# Altium PCB top_INA2180.PcbDoc (part 5 of 5)
Units mil, origin at the board's own origin, x right, y up, seen from the top; angles counter-clockwise.
Board outline 10480 x 5830 mil, 2 copper layers (Top Layer, Bottom Layer); 635 components, 633 nets, 1722 pads, 292 vias.
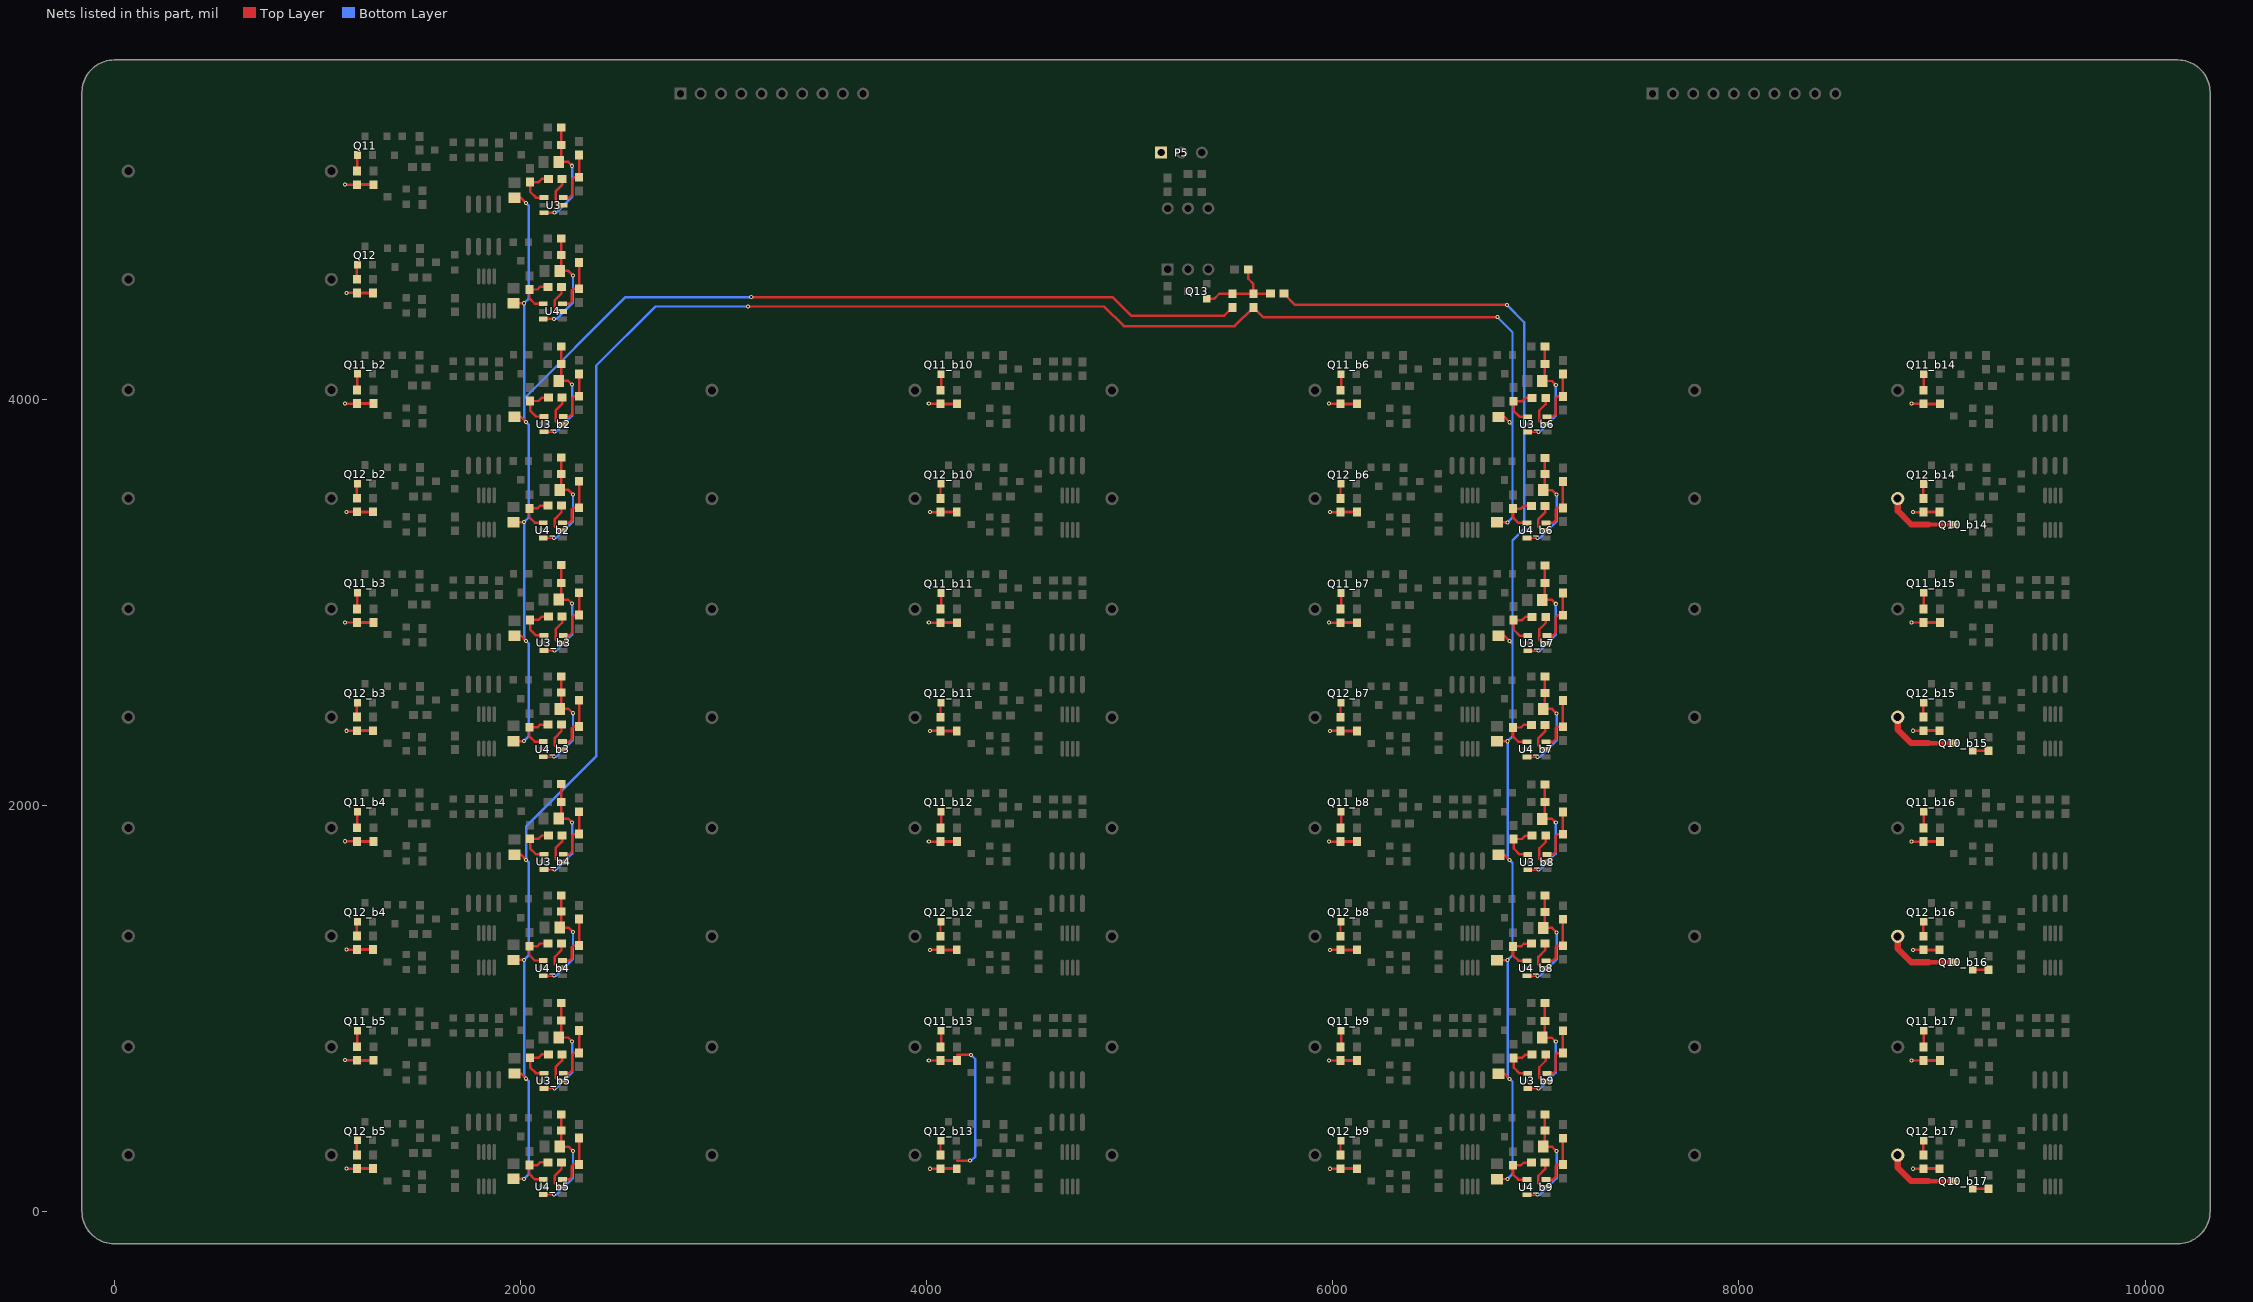
[diagram p5: the nets of this part, all layers, seen from the top]

## Via types
v1: diameter 20, hole 10, Top Layer to Bottom Layer, 235 vias
v2: diameter 40, hole 20, Top Layer to Bottom Layer, 53 vias
v3: diameter 125.98, hole 125.98, Top Layer to Bottom Layer, 4 vias

## Nets (pads, with @x,y where several pads share a name; then routed paths per layer and width w, separated by ;. In a path a pad name is that pad's centre, name@x,y a point inside that pad or via, vN(x,y) a via of type N, cw(c..) or ccw(c..) an arc to the next point about the centre after c; other vN are vias at no path point) (continued)
NetQ10_b14_3: Q10_b14.3 R14_b14.1 | length 365.2
  Top Layer w22: 8933.86,3382.35 Q10_b14.3@9058.6,3382.35
  Top Layer w30: R14_b14.1@8781.99,3510.07 8781.99,3449.07 8848.72,3382.35 8933.86,3382.35
NetQ10_b15_1: Q10_b15.1 R23_b15.1 | length 78.1
  Top Layer w12: Q10_b15.1@9151.12,2268.21 R23_b15.1@9229.18,2268.21
NetQ10_b15_3: Q10_b15.3 R14_b15.1 | length 365.2
  Top Layer w22: 8933.86,2305.61 Q10_b15.3@9058.6,2305.61
  Top Layer w30: R14_b15.1@8781.99,2433.33 8781.99,2372.33 8848.72,2305.61 8933.86,2305.61
NetQ10_b16_1: Q10_b16.1 R23_b16.1 | length 78.1
  Top Layer w12: Q10_b16.1@9151.12,1189.21 R23_b16.1@9229.18,1189.21
NetQ10_b16_3: Q10_b16.3 R14_b16.1 | length 365.2
  Top Layer w22: 8933.86,1226.61 Q10_b16.3@9058.6,1226.61
  Top Layer w30: R14_b16.1@8781.99,1354.33 8781.99,1293.33 8848.72,1226.61 8933.86,1226.61
NetQ10_b17_1: Q10_b17.1 R23_b17.1 | length 78.1
  Top Layer w12: Q10_b17.1@9151.12,111.21 R23_b17.1@9229.18,111.21
NetQ10_b17_3: Q10_b17.3 R14_b17.1 | length 365.2
  Top Layer w22: 8933.86,148.61 Q10_b17.3@9058.6,148.61
  Top Layer w30: R14_b17.1@8781.99,276.33 8781.99,215.33 8848.72,148.61 8933.86,148.61
NetQ11_1: Q11.1 R39.2 | length 79.9
  Top Layer w12: R39.2@1194.99,5122.8 1196.59,5124.4 Q11.1@1196.59,5202.07
NetQ11_b2_1: Q11_b2.1 R39_b2.2 | length 79.9
  Top Layer w12: R39_b2.2@1195,4044.72 1196.6,4046.32 Q11_b2.1@1196.6,4124
NetQ11_b3_1: Q11_b3.1 R39_b3.2 | length 79.9
  Top Layer w12: R39_b3.2@1195,2966.72 1196.6,2968.32 Q11_b3.1@1196.6,3046
NetQ11_b4_1: Q11_b4.1 R39_b4.2 | length 79.9
  Top Layer w12: R39_b4.2@1195,1888.72 1196.6,1890.32 Q11_b4.1@1196.6,1968
NetQ11_b5_1: Q11_b5.1 R39_b5.2 | length 79.9
  Top Layer w12: R39_b5.2@1195,810.72 1196.6,812.32 Q11_b5.1@1196.6,890
NetQ11_b6_1: Q11_b6.1 R39_b6.2 | length 79.9
  Top Layer w12: R39_b6.2@6038.99,4043.8 6040.59,4045.4 Q11_b6.1@6040.59,4123.07
NetQ11_b7_1: Q11_b7.1 R39_b7.2 | length 79.9
  Top Layer w12: R39_b7.2@6038.99,2965.8 6040.59,2967.4 Q11_b7.1@6040.59,3045.07
NetQ11_b8_1: Q11_b8.1 R39_b8.2 | length 79.9
  Top Layer w12: R39_b8.2@6038.99,1887.8 6040.59,1889.4 Q11_b8.1@6040.59,1967.07
NetQ11_b9_1: Q11_b9.1 R39_b9.2 | length 79.9
  Top Layer w12: R39_b9.2@6038.99,809.8 6040.59,811.4 Q11_b9.1@6040.59,889.07
NetQ11_b10_1: Q11_b10.1 R39_b10.2 | length 79.9
  Top Layer w12: R39_b10.2@4068.99,4043.8 4070.59,4045.4 Q11_b10.1@4070.59,4123.07
NetQ11_b11_1: Q11_b11.1 R39_b11.2 | length 79.9
  Top Layer w12: R39_b11.2@4068.99,2965.8 4070.59,2967.4 Q11_b11.1@4070.59,3045.07
NetQ11_b12_1: Q11_b12.1 R39_b12.2 | length 79.9
  Top Layer w12: R39_b12.2@4068.99,1887.8 4070.59,1889.4 Q11_b12.1@4070.59,1967.07
NetQ11_b13_1: Q11_b13.1 R39_b13.2 | length 79.9
  Top Layer w12: R39_b13.2@4068.99,809.8 4070.59,811.4 Q11_b13.1@4070.59,889.07
NetQ11_b14_1: Q11_b14.1 R39_b14.2 | length 79.9
  Top Layer w12: R39_b14.2@8908.99,4043.54 8910.59,4045.14 Q11_b14.1@8910.59,4122.81
NetQ11_b15_1: Q11_b15.1 R39_b15.2 | length 79.9
  Top Layer w12: R39_b15.2@8908.99,2966.8 8910.59,2968.4 Q11_b15.1@8910.59,3046.07
NetQ11_b16_1: Q11_b16.1 R39_b16.2 | length 79.9
  Top Layer w12: R39_b16.2@8908.99,1887.8 8910.59,1889.4 Q11_b16.1@8910.59,1967.07
NetQ11_b17_1: Q11_b17.1 R39_b17.2 | length 79.9
  Top Layer w12: R39_b17.2@8908.99,809.8 8910.59,811.4 Q11_b17.1@8910.59,889.07
NetQ12_1: Q12.1 R41.1 | length 72.4
  Top Layer w12: R41.1@1193.99,4589.8 1193.99,4658.48 Q12.1@1196.59,4661.07
NetQ12_b2_1: Q12_b2.1 R41_b2.1 | length 72.4
  Top Layer w12: R41_b2.1@1194,3511.72 1194,3580.4 Q12_b2.1@1196.6,3583
NetQ12_b3_1: Q12_b3.1 R41_b3.1 | length 72.4
  Top Layer w12: R41_b3.1@1194,2433.72 1194,2502.4 Q12_b3.1@1196.6,2505
NetQ12_b4_1: Q12_b4.1 R41_b4.1 | length 72.4
  Top Layer w12: R41_b4.1@1194,1355.72 1194,1424.4 Q12_b4.1@1196.6,1427
NetQ12_b5_1: Q12_b5.1 R41_b5.1 | length 72.4
  Top Layer w12: R41_b5.1@1194,277.72 1194,346.4 Q12_b5.1@1196.6,349
NetQ12_b6_1: Q12_b6.1 R41_b6.1 | length 72.4
  Top Layer w12: R41_b6.1@6037.99,3510.8 6037.99,3579.48 Q12_b6.1@6040.59,3582.07
NetQ12_b7_1: Q12_b7.1 R41_b7.1 | length 72.4
  Top Layer w12: R41_b7.1@6037.99,2432.8 6037.99,2501.48 Q12_b7.1@6040.59,2504.07
NetQ12_b8_1: Q12_b8.1 R41_b8.1 | length 72.4
  Top Layer w12: R41_b8.1@6037.99,1354.8 6037.99,1423.48 Q12_b8.1@6040.59,1426.07
NetQ12_b9_1: Q12_b9.1 R41_b9.1 | length 72.4
  Top Layer w12: R41_b9.1@6037.99,276.8 6037.99,345.48 Q12_b9.1@6040.59,348.07
NetQ12_b10_1: Q12_b10.1 R41_b10.1 | length 72.4
  Top Layer w12: R41_b10.1@4067.99,3510.8 4067.99,3579.48 Q12_b10.1@4070.59,3582.07
NetQ12_b11_1: Q12_b11.1 R41_b11.1 | length 72.4
  Top Layer w12: R41_b11.1@4067.99,2432.8 4067.99,2501.48 Q12_b11.1@4070.59,2504.07
NetQ12_b12_1: Q12_b12.1 R41_b12.1 | length 72.4
  Top Layer w12: R41_b12.1@4067.99,1354.8 4067.99,1423.48 Q12_b12.1@4070.59,1426.07
NetQ12_b13_1: Q12_b13.1 R41_b13.1 | length 72.4
  Top Layer w12: R41_b13.1@4067.99,276.8 4067.99,345.48 Q12_b13.1@4070.59,348.07
NetQ12_b14_1: Q12_b14.1 R41_b14.1 | length 72.4
  Top Layer w12: R41_b14.1@8907.99,3510.54 8907.99,3579.22 Q12_b14.1@8910.59,3581.81
NetQ12_b15_1: Q12_b15.1 R41_b15.1 | length 72.4
  Top Layer w12: R41_b15.1@8907.99,2433.8 8907.99,2502.48 Q12_b15.1@8910.59,2505.07
NetQ12_b16_1: Q12_b16.1 R41_b16.1 | length 72.4
  Top Layer w12: R41_b16.1@8907.99,1354.8 8907.99,1423.48 Q12_b16.1@8910.59,1426.07
NetQ12_b17_1: Q12_b17.1 R41_b17.1 | length 72.4
  Top Layer w12: R41_b17.1@8907.99,276.8 8907.99,345.48 Q12_b17.1@8910.59,348.07
NetQ13_1: Q13.1 R28.2 R29.2 R30.2 R31.2 | length 453.2
  Top Layer w12: Q13.1@5378.25,4493.67 5415.59,4493.67 5440.46,4518.54 R29.2@5505.99,4518.54 R30.2@5608.99,4518.54 ; R28.2@5583.46,4637.07 5583.46,4592.61 5608.99,4567.07 R30.2@5608.99,4518.54 ; R31.2@5692.07,4518.54 R30.2@5608.99,4518.54
NetR51_2: R51.2 R52.1 U3.1 | length 225.5
  Top Layer w12: U3.1@2115.76,4992.4 2075.6,4992.4 2047,5021 R52.1@2047,5068.54 2088.54,5068.54 2105,5085 R51.2@2137.54,5085
NetR51_b2_2: R51_b2.2 R52_b2.1 U3_b2.1 | length 225.5
  Top Layer w12: U3_b2.1@2115.76,3914.33 2075.61,3914.33 2047.01,3942.93 R52_b2.1@2047.01,3990.46 2088.54,3990.46 2105.01,4006.93 R51_b2.2@2137.54,4006.93
NetR51_b3_2: R51_b3.2 R52_b3.1 U3_b3.1 | length 225.5
  Top Layer w12: U3_b3.1@2115.76,2836.33 2075.61,2836.33 2047.01,2864.93 R52_b3.1@2047.01,2912.46 2088.54,2912.46 2105.01,2928.93 R51_b3.2@2137.54,2928.93
NetR51_b4_2: R51_b4.2 R52_b4.1 U3_b4.1 | length 225.5
  Top Layer w12: U3_b4.1@2115.76,1758.33 2075.61,1758.33 2047.01,1786.93 R52_b4.1@2047.01,1834.46 2088.54,1834.46 2105.01,1850.93 R51_b4.2@2137.54,1850.93
NetR51_b5_2: R51_b5.2 R52_b5.1 U3_b5.1 | length 225.5
  Top Layer w12: U3_b5.1@2115.76,680.33 2075.61,680.33 2047.01,708.93 R52_b5.1@2047.01,756.46 2088.54,756.46 2105.01,772.93 R51_b5.2@2137.54,772.93
NetR51_b6_2: R51_b6.2 R52_b6.1 U3_b6.1 | length 225.5
  Top Layer w12: U3_b6.1@6959.76,3913.4 6919.6,3913.4 6891,3942 R52_b6.1@6891,3989.54 6932.54,3989.54 6949,4006 R51_b6.2@6981.54,4006
NetR51_b7_2: R51_b7.2 R52_b7.1 U3_b7.1 | length 225.5
  Top Layer w12: U3_b7.1@6959.76,2835.4 6919.6,2835.4 6891,2864 R52_b7.1@6891,2911.54 6932.54,2911.54 6949,2928 R51_b7.2@6981.54,2928
NetR51_b8_2: R51_b8.2 R52_b8.1 U3_b8.1 | length 225.5
  Top Layer w12: U3_b8.1@6959.76,1757.4 6919.6,1757.4 6891,1786 R52_b8.1@6891,1833.54 6932.54,1833.54 6949,1850 R51_b8.2@6981.54,1850
NetR51_b9_2: R51_b9.2 R52_b9.1 U3_b9.1 | length 225.5
  Top Layer w12: U3_b9.1@6959.76,679.4 6919.6,679.4 6891,708 R52_b9.1@6891,755.54 6932.54,755.54 6949,772 R51_b9.2@6981.54,772
NetR51_b10_2: 
NetR51_b11_2: 
NetR51_b12_2: 
NetR51_b13_2: 
NetR51_b14_2: 
NetR51_b15_2: 
NetR51_b16_2: 
NetR51_b17_2: 
NetR53_1: R53.1 R54.1 U4.1 | length 219
  Top Layer w12: U4.1@2111.76,4469.4 2069.6,4469.4 2044,4495 R54.1@2044,4539.54 2082.54,4539.54 2096,4553 R53.1@2134.54,4553
NetR53_b2_1: R53_b2.1 R54_b2.1 U4_b2.1 | length 219
  Top Layer w12: U4_b2.1@2111.76,3391.33 2069.61,3391.33 2044.01,3416.93 R54_b2.1@2044.01,3461.46 2082.54,3461.46 2096.01,3474.93 R53_b2.1@2134.54,3474.93
NetR53_b3_1: R53_b3.1 R54_b3.1 U4_b3.1 | length 219
  Top Layer w12: U4_b3.1@2111.76,2313.33 2069.61,2313.33 2044.01,2338.93 R54_b3.1@2044.01,2383.46 2082.54,2383.46 2096.01,2396.93 R53_b3.1@2134.54,2396.93
NetR53_b4_1: R53_b4.1 R54_b4.1 U4_b4.1 | length 219
  Top Layer w12: U4_b4.1@2111.76,1235.33 2069.61,1235.33 2044.01,1260.93 R54_b4.1@2044.01,1305.46 2082.54,1305.46 2096.01,1318.93 R53_b4.1@2134.54,1318.93
NetR53_b5_1: R53_b5.1 R54_b5.1 U4_b5.1 | length 219
  Top Layer w12: U4_b5.1@2111.76,157.33 2069.61,157.33 2044.01,182.93 R54_b5.1@2044.01,227.46 2082.54,227.46 2096.01,240.93 R53_b5.1@2134.54,240.93
NetR53_b6_1: R53_b6.1 R54_b6.1 U4_b6.1 | length 219
  Top Layer w12: U4_b6.1@6955.76,3390.4 6913.6,3390.4 6888,3416 R54_b6.1@6888,3460.54 6926.54,3460.54 6940,3474 R53_b6.1@6978.54,3474
NetR53_b7_1: R53_b7.1 R54_b7.1 U4_b7.1 | length 219
  Top Layer w12: U4_b7.1@6955.76,2312.4 6913.6,2312.4 6888,2338 R54_b7.1@6888,2382.54 6926.54,2382.54 6940,2396 R53_b7.1@6978.54,2396
NetR53_b8_1: R53_b8.1 R54_b8.1 U4_b8.1 | length 219
  Top Layer w12: U4_b8.1@6955.76,1234.4 6913.6,1234.4 6888,1260 R54_b8.1@6888,1304.54 6926.54,1304.54 6940,1318 R53_b8.1@6978.54,1318
NetR53_b9_1: R53_b9.1 R54_b9.1 U4_b9.1 | length 219
  Top Layer w12: U4_b9.1@6955.76,156.4 6913.6,156.4 6888,182 R54_b9.1@6888,226.54 6926.54,226.54 6940,240 R53_b9.1@6978.54,240
NetR53_b10_1: 
NetR53_b11_1: 
NetR53_b12_1: 
NetR53_b13_1: 
NetR53_b14_1: 
NetR53_b15_1: 
NetR53_b16_1: 
NetR53_b17_1: 
OUT2: D1.2 D1_b2.2 D1_b3.2 D2.2 D2_b2.2 D2_b3.2 R29.1 | length 6814.5
  Top Layer w12: D2_b3.2@1964.41,2315.93 v1(2017.01,2315.93) ; D2_b2.2@1964.41,3393.93 v1(2017.01,3393.93) ; D2.2@1964.4,4472 v1(2017,4472) ; D1_b3.2@1971.01,2834.52 2001.41,2834.52 v1(2027.01,2808.93) ; D1_b2.2@1971.01,3912.52 2001.41,3912.52 v1(2027.01,3886.93) ; D1.2@1971,4990.6 2001.4,4990.6 v1(2027,4965) ; v1(3135.99,4502.07) 4914.99,4502.07 5005.99,4411.07 5465.46,4411.07 R29.1@5505.99,4451.61
  Bottom Layer w12: v1(2017.01,2315.93) 2041.01,2339.93 2041.01,2794.93 v1(2027.01,2808.93) 2017.01,2818.93 v1(2017.01,3393.93) 2041.01,3417.93 2041.01,3872.93 v1(2027.01,3886.93) 2017,3896.93 2017,4004 ; v1(2027,4965) 2041,4951 2041,4496 v1(2017,4472) 2017,4004 ; v1@3134.18,4500.27 v1(3135.99,4502.07) 2517.07,4502.07 2019,4004 2017,4004
OUT5: D1_b4.2 D1_b5.2 D1_b6.2 D2_b4.2 D2_b5.2 D2_b6.2 R30.1 | length 10269.3
  Top Layer w12: D2_b5.2@1964.41,159.93 v1(2017.01,159.93) ; D2_b4.2@1964.41,1237.93 v1(2017.01,1237.93) ; D1_b5.2@1971.01,678.52 2001.41,678.52 v1(2027.01,652.93) ; D1_b4.2@1971.01,1756.52 2001.41,1756.52 v1(2027.01,1730.93) ; v1(3120.99,4456.07) 4873.99,4456.07 4970.99,4359.07 5516.46,4359.07 R30.1@5608.99,4451.61 5656.6,4404 v1(6810,4404) ; D2_b6.2@6808.4,3393 v1(6861,3393) ; D1_b6.2@6815,3911.6 6845.4,3911.6 v1(6871,3886)
  Bottom Layer w12: v1(2017.01,159.93) 2041.01,183.93 2041.01,638.93 v1(2027.01,652.93) 2017.01,662.93 v1(2017.01,1237.93) 2041.01,1261.93 2041.01,1716.93 v1(2027.01,1730.93) 2027.01,1895.01 2372,2240 2372,4164.07 2664,4456.07 v1(3120.99,4456.07) ; v1(6810,4404) 6885,4329 6885,3872 ; v1(6861,3393) 6885,3417 6885,3872 ; v1(6871,3886) 6885,3872
OUT8: D1_b7.2 D1_b8.2 D1_b9.2 D2_b7.2 D2_b8.2 D2_b9.2 R31.1 | length 5912.1
  Top Layer w12: R31.1@5759.46,4519 5814.46,4464 v1(6857,4464) ; D2_b9.2@6808.4,159 v1(6861,159) ; D2_b8.2@6808.4,1237 v1(6861,1237) ; D2_b7.2@6808.4,2315 v1(6861,2315) ; D1_b9.2@6815,677.6 6845.4,677.6 v1(6871,652) ; D1_b8.2@6815,1755.6 6845.4,1755.6 v1(6871,1730) ; D1_b7.2@6815,2833.6 6845.4,2833.6 v1(6871,2808)
  Bottom Layer w12: v1(6857,4464) 6943,4378 6943,3362 6885,3304 6885,2794 ; v1(6861,159) 6885,183 6885,638 v1(6871,652) 6861,662 v1(6861,1237) 6885,1261 6885,1716 v1(6871,1730) 6861,1740 v1(6861,2315) 6885,2339 6885,2794 ; v1(6871,2808) 6885,2794
OUT9: 
OUT10: 
OUT11: 
OUT12: 
OUT13: 
OUT14:  | length 675.9
  Top Layer w12: 4149.86,249.21 v1(4213.46,249.21) ; 4149.86,770.21 v1(4218.46,770.21)
  Bottom Layer w12: v1(4213.46,249.21) 4218.74,249.21 4239.61,270.07 4239.61,749.06 v1(4218.46,770.21)
OUT15: 
OUT16: 
OUT_G16: P5.1 R39.1 R39_b2.1 R39_b3.1 R39_b4.1 R39_b5.1 R39_b6.1 R39_b7.1 R39_b8.1 R39_b9.1 R39_b10.1 R39_b11.1 R39_b12.1 R39_b13.1 R39_b14.1 R39_b15.1 R39_b16.1 R39_b17.1 R40.2 R40_b2.2 R40_b3.2 R40_b4.2 R40_b5.2 R40_b6.2 R40_b7.2 R40_b8.2 R40_b9.2 R40_b10.2 R40_b11.2 R40_b12.2 R40_b13.2 R40_b14.2 R40_b15.2 R40_b16.2 R40_b17.2 R41.2 R41_b2.2 R41_b3.2 R41_b4.2 R41_b5.2 R41_b6.2 R41_b7.2 R41_b8.2 R41_b9.2 R41_b10.2 R41_b11.2 R41_b12.2 R41_b13.2 R41_b14.2 R41_b15.2 R41_b16.2 R41_b17.2 R42.2 R42_b2.2 R42_b3.2 R42_b4.2 R42_b5.2 R42_b6.2 R42_b7.2 R42_b8.2 R42_b9.2 R42_b10.2 R42_b11.2 R42_b12.2 R42_b13.2 R42_b14.2 R42_b15.2 R42_b16.2 R42_b17.2 | length 4622.5
  Top Layer w12: v1@1136.99,743.8 R39_b5.1@1195,743.8 ; v1@1136.99,1821.8 R39_b4.1@1195,1821.8 ; v1@1136.99,2899.8 R39_b3.1@1195,2899.8 ; v1@1136.99,3977.8 R39_b2.1@1195,3977.8 ; v1@1136.98,5055.87 R39.1@1194.99,5055.87 ; v1(1142.25,210.54) R41_b5.2@1193.74,210.54 ; v1(1142.25,1288.54) R41_b4.2@1193.74,1288.54 ; v1(1142.25,2366.54) R41_b3.2@1193.74,2366.54 ; v1(1142.25,3444.54) R41_b2.2@1193.74,3444.54 ; v1(1142.24,4522.61) R41.2@1193.73,4522.61 ; v1@4010.98,742.87 R39_b13.1@4068.99,742.87 ; v1@4010.98,1820.87 R39_b12.1@4068.99,1820.87 ; v1@4010.98,2898.87 R39_b11.1@4068.99,2898.87 ; v1@4010.98,3976.87 R39_b10.1@4068.99,3976.87 ; v1(4016.24,209.61) R41_b13.2@4067.73,209.61 ; v1(4016.24,1287.61) R41_b12.2@4067.73,1287.61 ; v1(4016.24,2365.61) R41_b11.2@4067.73,2365.61 ; v1(4016.24,3443.61) R41_b10.2@4067.73,3443.61 ; v1@5980.98,742.87 R39_b9.1@6038.99,742.87 ; v1@5980.98,1820.87 R39_b8.1@6038.99,1820.87 ; v1@5980.98,2898.87 R39_b7.1@6038.99,2898.87 ; v1@5980.98,3976.87 R39_b6.1@6038.99,3976.87 ; v1(5986.24,209.61) R41_b9.2@6037.73,209.61 ; v1(5986.24,1287.61) R41_b8.2@6037.73,1287.61 ; v1(5986.24,2365.61) R41_b7.2@6037.73,2365.61 ; v1(5986.24,3443.61) R41_b6.2@6037.73,3443.61 ; v1@8850.98,742.87 R39_b17.1@8908.99,742.87 ; v1@8850.98,1820.87 R39_b16.1@8908.99,1820.87 ; v1@8850.98,2899.87 R39_b15.1@8908.99,2899.87 ; v1@8850.98,3976.61 R39_b14.1@8908.99,3976.61 ; v1(8856.24,209.61) R41_b17.2@8907.73,209.61 ; v1(8856.24,1287.61) R41_b16.2@8907.73,1287.61 ; v1(8856.24,2366.61) R41_b15.2@8907.73,2366.61 ; v1(8856.24,3443.35) R41_b14.2@8907.73,3443.35
  Top Layer w15: v1(1136.25,744.54) v1@1136.99,743.8 ; v1(1136.25,1822.54) v1@1136.99,1821.8 ; v1(1136.25,2900.54) v1@1136.99,2899.8 ; v1(1136.25,3978.54) v1@1136.99,3977.8 ; v1(1136.24,5056.61) v1@1136.98,5055.87 ; R41_b5.2@1193.74,210.54 R41_b5.2@1194,210.8 R42_b5.2@1274,210.8 ; R41_b4.2@1193.74,1288.54 R41_b4.2@1194,1288.8 R42_b4.2@1274,1288.8 ; R41_b3.2@1193.74,2366.54 R41_b3.2@1194,2366.8 R42_b3.2@1274,2366.8 ; R41_b2.2@1193.74,3444.54 R41_b2.2@1194,3444.8 R42_b2.2@1274,3444.8 ; R41.2@1193.73,4522.61 R41.2@1193.99,4522.87 R42.2@1273.99,4522.87 ; R39_b5.1@1195,743.8 R40_b5.2@1276,743.8 ; R39_b4.1@1195,1821.8 R40_b4.2@1276,1821.8 ; R39_b3.1@1195,2899.8 R40_b3.2@1276,2899.8 ; R39_b2.1@1195,3977.8 R40_b2.2@1276,3977.8 ; R39.1@1194.99,5055.87 R40.2@1275.99,5055.87 ; v1(4010.24,743.61) v1@4010.98,742.87 ; v1(4010.24,1821.61) v1@4010.98,1820.87 ; v1(4010.24,2899.61) v1@4010.98,2898.87 ; v1(4010.24,3977.61) v1@4010.98,3976.87 ; R41_b13.2@4067.73,209.61 R41_b13.2@4067.99,209.87 R42_b13.2@4147.99,209.87 ; R41_b12.2@4067.73,1287.61 R41_b12.2@4067.99,1287.87 R42_b12.2@4147.99,1287.87 ; R41_b11.2@4067.73,2365.61 R41_b11.2@4067.99,2365.87 R42_b11.2@4147.99,2365.87 ; R41_b10.2@4067.73,3443.61 R41_b10.2@4067.99,3443.87 R42_b10.2@4147.99,3443.87 ; R39_b13.1@4068.99,742.87 R40_b13.2@4149.99,742.87 ; R39_b12.1@4068.99,1820.87 R40_b12.2@4149.99,1820.87 ; R39_b11.1@4068.99,2898.87 R40_b11.2@4149.99,2898.87 ; R39_b10.1@4068.99,3976.87 R40_b10.2@4149.99,3976.87 ; v1(5980.24,743.61) v1@5980.98,742.87 ; v1(5980.24,1821.61) v1@5980.98,1820.87 ; v1(5980.24,2899.61) v1@5980.98,2898.87 ; v1(5980.24,3977.61) v1@5980.98,3976.87 ; R41_b9.2@6037.73,209.61 R41_b9.2@6037.99,209.87 R42_b9.2@6117.99,209.87 ; R41_b8.2@6037.73,1287.61 R41_b8.2@6037.99,1287.87 R42_b8.2@6117.99,1287.87 ; R41_b7.2@6037.73,2365.61 R41_b7.2@6037.99,2365.87 R42_b7.2@6117.99,2365.87 ; R41_b6.2@6037.73,3443.61 R41_b6.2@6037.99,3443.87 R42_b6.2@6117.99,3443.87 ; R39_b9.1@6038.99,742.87 R40_b9.2@6119.99,742.87 ; R39_b8.1@6038.99,1820.87 R40_b8.2@6119.99,1820.87 ; R39_b7.1@6038.99,2898.87 R40_b7.2@6119.99,2898.87 ; R39_b6.1@6038.99,3976.87 R40_b6.2@6119.99,3976.87 ; v1(8850.24,743.61) v1@8850.98,742.87 ; v1(8850.24,1821.61) v1@8850.98,1820.87 ; v1(8850.24,2900.61) v1@8850.98,2899.87 ; v1(8850.24,3977.35) v1@8850.98,3976.61 ; R41_b17.2@8907.73,209.61 R41_b17.2@8907.99,209.87 R42_b17.2@8987.99,209.87 ; R41_b16.2@8907.73,1287.61 R41_b16.2@8907.99,1287.87 R42_b16.2@8987.99,1287.87 ; R41_b15.2@8907.73,2366.61 R41_b15.2@8907.99,2366.87 R42_b15.2@8987.99,2366.87 ; R41_b14.2@8907.73,3443.35 R41_b14.2@8907.99,3443.61 R42_b14.2@8987.99,3443.61 ; R39_b17.1@8908.99,742.87 R40_b17.2@8989.99,742.87 ; R39_b16.1@8908.99,1820.87 R40_b16.2@8989.99,1820.87 ; R39_b15.1@8908.99,2899.87 R40_b15.2@8989.99,2899.87 ; R39_b14.1@8908.99,3976.61 R40_b14.2@8989.99,3976.61
REF1: R51.1 U3.5 | length 171.7
  Top Layer w12: R51.1@2204.46,5085 2204.46,5054.46 2172.59,5022.59 2172.59,4970.59 2188.18,4955 U3.5@2210.24,4955
REF1_b2: R51_b2.1 U3_b2.5 | length 171.7
  Top Layer w12: R51_b2.1@2204.47,4006.93 2204.47,3976.39 2172.6,3944.52 2172.6,3892.52 2188.19,3876.93 U3_b2.5@2210.25,3876.93
REF1_b3: R51_b3.1 U3_b3.5 | length 171.7
  Top Layer w12: R51_b3.1@2204.47,2928.93 2204.47,2898.39 2172.6,2866.52 2172.6,2814.52 2188.19,2798.93 U3_b3.5@2210.25,2798.93
REF1_b4: R51_b4.1 U3_b4.5 | length 171.7
  Top Layer w12: R51_b4.1@2204.47,1850.93 2204.47,1820.39 2172.6,1788.52 2172.6,1736.52 2188.19,1720.93 U3_b4.5@2210.25,1720.93
REF1_b5: R51_b5.1 U3_b5.5 | length 171.7
  Top Layer w12: R51_b5.1@2204.47,772.93 2204.47,742.39 2172.6,710.52 2172.6,658.52 2188.19,642.93 U3_b5.5@2210.25,642.93
REF1_b6: R51_b6.1 U3_b6.5 | length 171.7
  Top Layer w12: R51_b6.1@7048.46,4006 7048.46,3975.46 7016.59,3943.59 7016.59,3891.59 7032.18,3876 U3_b6.5@7054.24,3876
REF1_b7: R51_b7.1 U3_b7.5 | length 171.7
  Top Layer w12: R51_b7.1@7048.46,2928 7048.46,2897.46 7016.59,2865.59 7016.59,2813.59 7032.18,2798 U3_b7.5@7054.24,2798
REF1_b8: R51_b8.1 U3_b8.5 | length 171.7
  Top Layer w12: R51_b8.1@7048.46,1850 7048.46,1819.46 7016.59,1787.59 7016.59,1735.59 7032.18,1720 U3_b8.5@7054.24,1720
REF1_b9: R51_b9.1 U3_b9.5 | length 171.7
  Top Layer w12: R51_b9.1@7048.46,772 7048.46,741.46 7016.59,709.59 7016.59,657.59 7032.18,642 U3_b9.5@7054.24,642
REF1_b10: 
REF1_b11: 
REF1_b12: 
REF1_b13: 
REF1_b14: 
REF1_b15: 
REF1_b16: 
REF1_b17: 
REF2: R53.2 U4.5 | length 161.2
  Top Layer w12: R53.2@2201.46,4553 2201.46,4520.71 2168.59,4487.84 2168.59,4450.96 2187.55,4432 U4.5@2206.24,4432
REF2_b2: R53_b2.2 U4_b2.5 | length 161.2
  Top Layer w12: R53_b2.2@2201.47,3474.93 2201.47,3442.64 2168.6,3409.77 2168.6,3372.89 2187.56,3353.93 U4_b2.5@2206.25,3353.93
REF2_b3: R53_b3.2 U4_b3.5 | length 161.2
  Top Layer w12: R53_b3.2@2201.47,2396.93 2201.47,2364.64 2168.6,2331.77 2168.6,2294.89 2187.56,2275.93 U4_b3.5@2206.25,2275.93
REF2_b4: R53_b4.2 U4_b4.5 | length 161.2
  Top Layer w12: R53_b4.2@2201.47,1318.93 2201.47,1286.64 2168.6,1253.77 2168.6,1216.89 2187.56,1197.93 U4_b4.5@2206.25,1197.93
REF2_b5: R53_b5.2 U4_b5.5 | length 161.2
  Top Layer w12: R53_b5.2@2201.47,240.93 2201.47,208.64 2168.6,175.77 2168.6,138.89 2187.56,119.93 U4_b5.5@2206.25,119.93
REF2_b6: R53_b6.2 U4_b6.5 | length 161.2
  Top Layer w12: R53_b6.2@7045.46,3474 7045.46,3441.71 7012.59,3408.84 7012.59,3371.96 7031.55,3353 U4_b6.5@7050.24,3353
REF2_b7: R53_b7.2 U4_b7.5 | length 161.2
  Top Layer w12: R53_b7.2@7045.46,2396 7045.46,2363.71 7012.59,2330.84 7012.59,2293.96 7031.55,2275 U4_b7.5@7050.24,2275
REF2_b8: R53_b8.2 U4_b8.5 | length 161.2
  Top Layer w12: R53_b8.2@7045.46,1318 7045.46,1285.71 7012.59,1252.84 7012.59,1215.96 7031.55,1197 U4_b8.5@7050.24,1197
REF2_b9: R53_b9.2 U4_b9.5 | length 161.2
  Top Layer w12: R53_b9.2@7045.46,240 7045.46,207.71 7012.59,174.84 7012.59,137.96 7031.55,119 U4_b9.5@7050.24,119
REF2_b10: 
REF2_b11: 
REF2_b12: 
REF2_b13: 
REF2_b14: 
REF2_b15: 
REF2_b16: 
REF2_b17: 
VIN1: R8.1 R13.2 U3.6 | length 275.1
  Top Layer w12: U3.6@2210.24,4992.4 2240.4,4992.4 2253.17,5005.17 2253.17,5082.17 2263.07,5092.07 R13.2@2288.86,5092.07 R8.1@2288.86,5202.14
VIN1_b2: R8_b2.1 R13_b2.2 U3_b2.6 | length 275.1
  Top Layer w12: U3_b2.6@2210.25,3914.33 2240.41,3914.33 2253.18,3927.1 2253.18,4004.1 2263.08,4014 R13_b2.2@2288.87,4014 R8_b2.1@2288.87,4124.07
VIN1_b3: R8_b3.1 R13_b3.2 U3_b3.6 | length 275.1
  Top Layer w12: U3_b3.6@2210.25,2836.33 2240.41,2836.33 2253.18,2849.1 2253.18,2926.1 2263.08,2936 R13_b3.2@2288.87,2936 R8_b3.1@2288.87,3046.07
VIN1_b4: R8_b4.1 R13_b4.2 U3_b4.6 | length 275.1
  Top Layer w12: U3_b4.6@2210.25,1758.33 2240.41,1758.33 2253.18,1771.1 2253.18,1848.1 2263.08,1858 R13_b4.2@2288.87,1858 R8_b4.1@2288.87,1968.07
VIN1_b5: R8_b5.1 R13_b5.2 U3_b5.6 | length 275.1
  Top Layer w12: U3_b5.6@2210.25,680.33 2240.41,680.33 2253.18,693.1 2253.18,770.1 2263.08,780 R13_b5.2@2288.87,780 R8_b5.1@2288.87,890.07
VIN1_b6: R8_b6.1 R13_b6.2 U3_b6.6 | length 275.1
  Top Layer w12: U3_b6.6@7054.24,3913.4 7084.4,3913.4 7097.17,3926.17 7097.17,4003.17 7107.07,4013.07 R13_b6.2@7132.86,4013.07 R8_b6.1@7132.86,4123.14
VIN1_b7: R8_b7.1 R13_b7.2 U3_b7.6 | length 275.1
  Top Layer w12: U3_b7.6@7054.24,2835.4 7084.4,2835.4 7097.17,2848.17 7097.17,2925.17 7107.07,2935.07 R13_b7.2@7132.86,2935.07 R8_b7.1@7132.86,3045.14
VIN1_b8: R8_b8.1 R13_b8.2 U3_b8.6 | length 275.1
  Top Layer w12: U3_b8.6@7054.24,1757.4 7084.4,1757.4 7097.17,1770.17 7097.17,1847.17 7107.07,1857.07 R13_b8.2@7132.86,1857.07 R8_b8.1@7132.86,1967.14
VIN1_b9: R8_b9.1 R13_b9.2 U3_b9.6 | length 275.1
  Top Layer w12: U3_b9.6@7054.24,679.4 7084.4,679.4 7097.17,692.17 7097.17,769.17 7107.07,779.07 R13_b9.2@7132.86,779.07 R8_b9.1@7132.86,889.14
VIN1_b10: 
VIN1_b11: 
VIN1_b12: 
VIN1_b13: 
VIN1_b14: 
VIN1_b15: 
VIN1_b16: 
VIN1_b17: 
VIN2: R21.1 R24.2 U4.6 | length 274.2
  Top Layer w12: U4.6@2206.24,4469.4 2240.4,4469.4 2253,4482 2253,4535 2261.07,4543.07 R24.2@2288.86,4543.07 R21.1@2288.86,4673.14
VIN2_b2: R21_b2.1 R24_b2.2 U4_b2.6 | length 274.2
  Top Layer w12: U4_b2.6@2206.25,3391.33 2240.41,3391.33 2253.01,3403.93 2253.01,3456.93 2261.08,3465 R24_b2.2@2288.87,3465 R21_b2.1@2288.87,3595.07
VIN2_b3: R21_b3.1 R24_b3.2 U4_b3.6 | length 274.2
  Top Layer w12: U4_b3.6@2206.25,2313.33 2240.41,2313.33 2253.01,2325.93 2253.01,2378.93 2261.08,2387 R24_b3.2@2288.87,2387 R21_b3.1@2288.87,2517.07
VIN2_b4: R21_b4.1 R24_b4.2 U4_b4.6 | length 274.2
  Top Layer w12: U4_b4.6@2206.25,1235.33 2240.41,1235.33 2253.01,1247.93 2253.01,1300.93 2261.08,1309 R24_b4.2@2288.87,1309 R21_b4.1@2288.87,1439.07
VIN2_b5: R21_b5.1 R24_b5.2 U4_b5.6 | length 274.2
  Top Layer w12: U4_b5.6@2206.25,157.33 2240.41,157.33 2253.01,169.93 2253.01,222.93 2261.08,231 R24_b5.2@2288.87,231 R21_b5.1@2288.87,361.07
VIN2_b6: R21_b6.1 R24_b6.2 U4_b6.6 | length 274.2
  Top Layer w12: U4_b6.6@7050.24,3390.4 7084.4,3390.4 7097,3403 7097,3456 7105.07,3464.07 R24_b6.2@7132.86,3464.07 R21_b6.1@7132.86,3594.14
VIN2_b7: R21_b7.1 R24_b7.2 U4_b7.6 | length 274.2
  Top Layer w12: U4_b7.6@7050.24,2312.4 7084.4,2312.4 7097,2325 7097,2378 7105.07,2386.07 R24_b7.2@7132.86,2386.07 R21_b7.1@7132.86,2516.14
VIN2_b8: R21_b8.1 R24_b8.2 U4_b8.6 | length 274.2
  Top Layer w12: U4_b8.6@7050.24,1234.4 7084.4,1234.4 7097,1247 7097,1300 7105.07,1308.07 R24_b8.2@7132.86,1308.07 R21_b8.1@7132.86,1438.14
VIN2_b9: R21_b9.1 R24_b9.2 U4_b9.6 | length 274.2
  Top Layer w12: U4_b9.6@7050.24,156.4 7084.4,156.4 7097,169 7097,222 7105.07,230.07 R24_b9.2@7132.86,230.07 R21_b9.1@7132.86,360.14
VIN2_b10: 
VIN2_b11: 
VIN2_b12: 
VIN2_b13: 
VIN2_b14: 
VIN2_b15: 
VIN2_b16: 
VIN2_b17: 
VOUT1: D3.2 R7.1 R32.1 U3.3 | length 573.6
  Top Layer w12: U3.3@2115.76,4917.6 2116.16,4918 v1(2168,4918) ; R7.1@2200.46,5338 R32.1@2200.46,5251 2200.46,5181.06 D3.2@2187.4,5168 2235,5168 v1(2254,5149)
  Bottom Layer w12: v1(2168,4918) 2176,4918 2254,4996 v1(2254,5149)
VOUT1_b2: D3_b2.2 R7_b2.1 R32_b2.1 U3_b2.3 | length 573.6
  Top Layer w12: U3_b2.3@2115.76,3839.52 2116.17,3839.93 v1(2168.01,3839.93) ; R7_b2.1@2200.47,4259.93 R32_b2.1@2200.47,4172.93 2200.47,4102.99 D3_b2.2@2187.41,4089.93 2235.01,4089.93 v1(2254.01,4070.93)
  Bottom Layer w12: v1(2168.01,3839.93) 2176.01,3839.93 2254.01,3917.93 v1(2254.01,4070.93)
VOUT1_b3: D3_b3.2 R7_b3.1 R32_b3.1 U3_b3.3 | length 573.6
  Top Layer w12: U3_b3.3@2115.76,2761.52 2116.17,2761.93 v1(2168.01,2761.93) ; R7_b3.1@2200.47,3181.93 R32_b3.1@2200.47,3094.93 2200.47,3024.99 D3_b3.2@2187.41,3011.93 2235.01,3011.93 v1(2254.01,2992.93)
  Bottom Layer w12: v1(2168.01,2761.93) 2176.01,2761.93 2254.01,2839.93 v1(2254.01,2992.93)
VOUT1_b4: D3_b4.2 R7_b4.1 R32_b4.1 U3_b4.3 | length 573.6
  Top Layer w12: U3_b4.3@2115.76,1683.52 2116.17,1683.93 v1(2168.01,1683.93) ; R7_b4.1@2200.47,2103.93 R32_b4.1@2200.47,2016.93 2200.47,1946.99 D3_b4.2@2187.41,1933.93 2235.01,1933.93 v1(2254.01,1914.93)
  Bottom Layer w12: v1(2168.01,1683.93) 2176.01,1683.93 2254.01,1761.93 v1(2254.01,1914.93)
VOUT1_b5: D3_b5.2 R7_b5.1 R32_b5.1 U3_b5.3 | length 573.6
  Top Layer w12: U3_b5.3@2115.76,605.52 2116.17,605.93 v1(2168.01,605.93) ; R7_b5.1@2200.47,1025.93 R32_b5.1@2200.47,938.93 2200.47,868.99 D3_b5.2@2187.41,855.93 2235.01,855.93 v1(2254.01,836.93)
  Bottom Layer w12: v1(2168.01,605.93) 2176.01,605.93 2254.01,683.93 v1(2254.01,836.93)
VOUT1_b6: D3_b6.2 R7_b6.1 R32_b6.1 U3_b6.3 | length 573.6
  Top Layer w12: U3_b6.3@6959.76,3838.6 6960.16,3839 v1(7012,3839) ; R7_b6.1@7044.46,4259 R32_b6.1@7044.46,4172 7044.46,4102.06 D3_b6.2@7031.4,4089 7079,4089 v1(7098,4070)
  Bottom Layer w12: v1(7012,3839) 7020,3839 7098,3917 v1(7098,4070)
VOUT1_b7: D3_b7.2 R7_b7.1 R32_b7.1 U3_b7.3 | length 573.6
  Top Layer w12: U3_b7.3@6959.76,2760.6 6960.16,2761 v1(7012,2761) ; R7_b7.1@7044.46,3181 R32_b7.1@7044.46,3094 7044.46,3024.06 D3_b7.2@7031.4,3011 7079,3011 v1(7098,2992)
  Bottom Layer w12: v1(7012,2761) 7020,2761 7098,2839 v1(7098,2992)
VOUT1_b8: D3_b8.2 R7_b8.1 R32_b8.1 U3_b8.3 | length 573.6
  Top Layer w12: U3_b8.3@6959.76,1682.6 6960.16,1683 v1(7012,1683) ; R7_b8.1@7044.46,2103 R32_b8.1@7044.46,2016 7044.46,1946.06 D3_b8.2@7031.4,1933 7079,1933 v1(7098,1914)
  Bottom Layer w12: v1(7012,1683) 7020,1683 7098,1761 v1(7098,1914)
VOUT1_b9: D3_b9.2 R7_b9.1 R32_b9.1 U3_b9.3 | length 573.6
  Top Layer w12: U3_b9.3@6959.76,604.6 6960.16,605 v1(7012,605) ; R7_b9.1@7044.46,1025 R32_b9.1@7044.46,938 7044.46,868.06 D3_b9.2@7031.4,855 7079,855 v1(7098,836)
  Bottom Layer w12: v1(7012,605) 7020,605 7098,683 v1(7098,836)
VOUT1_b10: 
VOUT1_b11: 
VOUT1_b12: 
VOUT1_b13: 
VOUT1_b14: 
VOUT1_b15: 
VOUT1_b16: 
VOUT1_b17: 
VOUT2: D4.2 R20.1 R33.1 U4.3 | length 550
  Top Layer w12: U4.3@2111.76,4394.6 2112.16,4395 v1(2164,4395) ; R20.1@2200.46,4790 R33.1@2200.46,4710 2200.46,4639.06 D4.2@2192.4,4631 2236,4631 v1(2258,4609)
  Bottom Layer w12: v1(2164,4395) 2177,4395 2258,4476 v1(2258,4609)
VOUT2_b2: D4_b2.2 R20_b2.1 R33_b2.1 U4_b2.3 | length 550
  Top Layer w12: U4_b2.3@2111.76,3316.52 2112.17,3316.93 v1(2164.01,3316.93) ; R20_b2.1@2200.47,3711.93 R33_b2.1@2200.47,3631.93 2200.47,3560.99 D4_b2.2@2192.41,3552.93 2236.01,3552.93 v1(2258.01,3530.93)
  Bottom Layer w12: v1(2164.01,3316.93) 2177.01,3316.93 2258.01,3397.93 v1(2258.01,3530.93)
VOUT2_b3: D4_b3.2 R20_b3.1 R33_b3.1 U4_b3.3 | length 550
  Top Layer w12: U4_b3.3@2111.76,2238.52 2112.17,2238.93 v1(2164.01,2238.93) ; R20_b3.1@2200.47,2633.93 R33_b3.1@2200.47,2553.93 2200.47,2482.99 D4_b3.2@2192.41,2474.93 2236.01,2474.93 v1(2258.01,2452.93)
  Bottom Layer w12: v1(2164.01,2238.93) 2177.01,2238.93 2258.01,2319.93 v1(2258.01,2452.93)
VOUT2_b4: D4_b4.2 R20_b4.1 R33_b4.1 U4_b4.3 | length 550
  Top Layer w12: U4_b4.3@2111.76,1160.52 2112.17,1160.93 v1(2164.01,1160.93) ; R20_b4.1@2200.47,1555.93 R33_b4.1@2200.47,1475.93 2200.47,1404.99 D4_b4.2@2192.41,1396.93 2236.01,1396.93 v1(2258.01,1374.93)
  Bottom Layer w12: v1(2164.01,1160.93) 2177.01,1160.93 2258.01,1241.93 v1(2258.01,1374.93)
VOUT2_b5: D4_b5.2 R20_b5.1 R33_b5.1 U4_b5.3 | length 550
  Top Layer w12: U4_b5.3@2111.76,82.52 2112.17,82.93 v1(2164.01,82.93) ; R20_b5.1@2200.47,477.93 R33_b5.1@2200.47,397.93 2200.47,326.99 D4_b5.2@2192.41,318.93 2236.01,318.93 v1(2258.01,296.93)
  Bottom Layer w12: v1(2164.01,82.93) 2177.01,82.93 2258.01,163.93 v1(2258.01,296.93)
VOUT2_b6: D4_b6.2 R20_b6.1 R33_b6.1 U4_b6.3 | length 550
  Top Layer w12: U4_b6.3@6955.76,3315.6 6956.16,3316 v1(7008,3316) ; R20_b6.1@7044.46,3711 R33_b6.1@7044.46,3631 7044.46,3560.06 D4_b6.2@7036.4,3552 7080,3552 v1(7102,3530)
  Bottom Layer w12: v1(7008,3316) 7021,3316 7102,3397 v1(7102,3530)
VOUT2_b7: D4_b7.2 R20_b7.1 R33_b7.1 U4_b7.3 | length 550
  Top Layer w12: U4_b7.3@6955.76,2237.6 6956.16,2238 v1(7008,2238) ; R20_b7.1@7044.46,2633 R33_b7.1@7044.46,2553 7044.46,2482.06 D4_b7.2@7036.4,2474 7080,2474 v1(7102,2452)
  Bottom Layer w12: v1(7008,2238) 7021,2238 7102,2319 v1(7102,2452)
VOUT2_b8: D4_b8.2 R20_b8.1 R33_b8.1 U4_b8.3 | length 550
  Top Layer w12: U4_b8.3@6955.76,1159.6 6956.16,1160 v1(7008,1160) ; R20_b8.1@7044.46,1555 R33_b8.1@7044.46,1475 7044.46,1404.06 D4_b8.2@7036.4,1396 7080,1396 v1(7102,1374)
  Bottom Layer w12: v1(7008,1160) 7021,1160 7102,1241 v1(7102,1374)
VOUT2_b9: D4_b9.2 R20_b9.1 R33_b9.1 U4_b9.3 | length 550
  Top Layer w12: U4_b9.3@6955.76,81.6 6956.16,82 v1(7008,82) ; R20_b9.1@7044.46,477 R33_b9.1@7044.46,397 7044.46,326.06 D4_b9.2@7036.4,318 7080,318 v1(7102,296)
  Bottom Layer w12: v1(7008,82) 7021,82 7102,163 v1(7102,296)
VOUT2_b10: 
VOUT2_b11: 
VOUT2_b12: 
VOUT2_b13: 
VOUT2_b14: 
VOUT2_b15: 
VOUT2_b16: 
VOUT2_b17: 
pads on no net: J1.3
copper on no net: | length 1523.2
  Top Layer w12: 1792.87,3673.05 1792.87,3725.54 1800.87,3733.54 1837.87,3733.54 1842.87,3728.54 1842.87,3673.05 1842.87,3617.54 1870.25,3590.15 1870.25,3526.18 1870.25,3472.92 1819.07,3421.74 1819.07,3356.89 ; v1(1818.87,3601.54) 1844.66,3575.74 1844.66,3526.18 ; v1(1827.87,3294.54) 1844.66,3311.33 1844.66,3356.89 1845.39,3357.62 ; 1842.87,3882.02 v1(1842.87,3943.54) 1860.87,3961.54 1875.87,3961.54 1892.87,3944.54 1892.87,3882.02
  Bottom Layer w12: v1(1827.87,3294.54) 1818.87,3303.54 v1(1818.87,3601.54) 1818.87,3925.54 1836.87,3943.54 v1(1842.87,3943.54)
  other v3: 0,0 10160,0 0,5510 10160,5510

## Polygon pours and split planes (outlines as drawn)
OUT_G16 on Top Layer "OUT_G16_L01_P006" (solid, pour order 6): 0,-160 cw(c0,0) -160,0 -160,5510 cw(c0,5510) 0,5670 10160,5670 cw(c10160,5510) 10320,5510 10320,0 cw(c10160,0) 10160,-160
OUT_G16 on Bottom Layer "OUT_G16_L02_P007" (solid, pour order 7): 0,-160 cw(c0,0) -160,0 -160,5510 cw(c0,5510) 0,5670 10160,5670 cw(c10160,5510) 10320,5510 10320,0 cw(c10160,0) 10160,-160

## Keep-outs
Keep-Out Layer:
  the board outline again, w10

## Dimensions
-406,5677.95 to -431,-166.05 on Keep-Out Layer
-155,-436 to 10025,-482 on Keep-Out Layer